# Altium PCB PCB1.PcbDoc (part 2 of 2)
Units mm, origin at the board's own origin, x right, y up, seen from the top; angles counter-clockwise.
Board outline 101.35 x 52 mm, 2 copper layers (Top Layer, Bottom Layer); 142 components, 119 nets, 501 pads, 93 vias.
Unrouted connection lines stored in the file: 4.
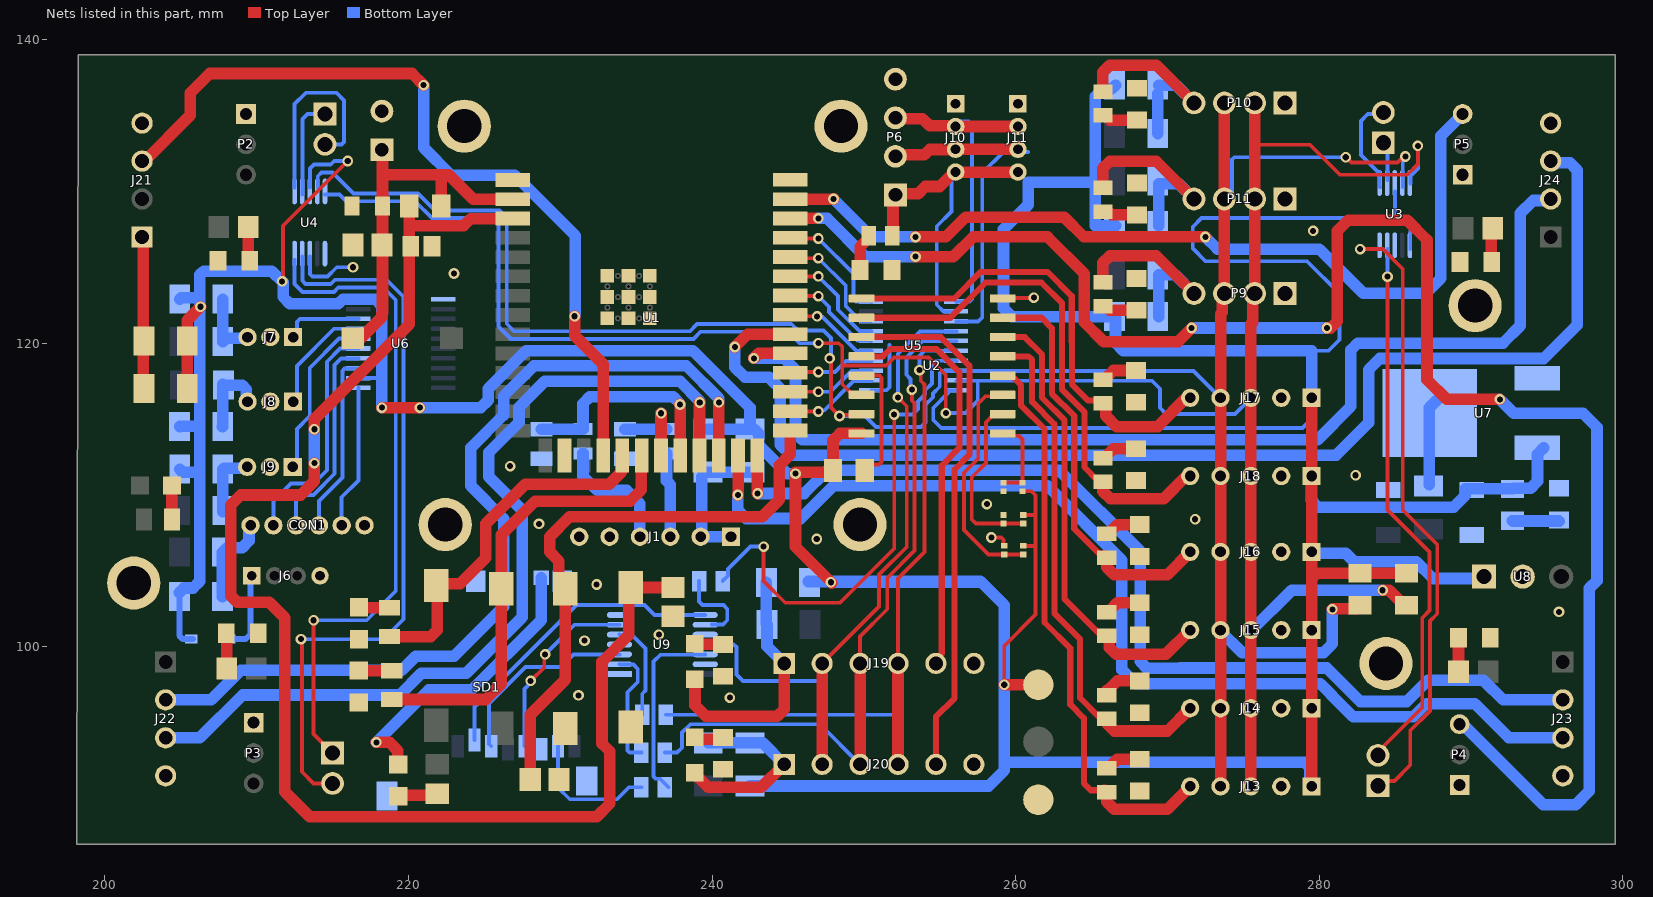
[diagram p2: the nets of this part, all layers, seen from the top]

## Via types
v1: diameter 0.7, hole 0.4, Top Layer to Bottom Layer, 93 vias

## Nets (pads, with @x,y where several pads share a name; then routed paths per layer and width w, separated by ;. In a path a pad name is that pad's centre, name@x,y a point inside that pad or via, vN(x,y) a via of type N, cw(c..) or ccw(c..) an arc to the next point about the centre after c; other vN are vias at no path point) (continued)
18: J21.3 U1.18 | length 53.9
  Top Layer w0.762: J21.3@202.45,132 202.623,132 205.634,135.011 205.634,136.484 206.917,137.767 220.233,137.767 v1(221,137) ; v1(230.95,121.775) 230.95,120.487 232.825,118.612 U1.18@232.825,112.6
  Bottom Layer w0.762: v1(221,137) 221,132.875 222.8,131.075 227.012,131.075 231,127.087 231,121.825 v1(230.95,121.775)
19: R10.2 SW1.2 U1.19 | length 23.6
  Top Layer w0.762: R10.2@218.945,100.654 221.457,100.654 221.904,101.1 221.904,103.824 222.231,104.15 223.4,104.15 225.101,105.851 225.101,108.101 227.7,110.7 233.218,110.7 234.026,111.508 234.026,112.531 U1.19@234.095,112.6
20: R11.2 SW2.2 U1.20 | length 30
  Top Layer w0.762: R11.2@219.046,96.525 225.075,96.525 226.117,97.567 SW2.2@226.117,103.824 226.117,107.367 228.35,109.6 234.6,109.6 235.332,110.332 235.332,112.567 U1.20@235.365,112.6
21: R2.1 R3.2 U1.21 | length 6.5
  Top Layer w0.762: U1.21@236.635,112.6 236.635,115.372 v1(236.65,115.387)
  Bottom Layer w0.762: R3.2@234.25,114.342 R2.1@237,114.342 ; R2.1@236.65,114.386 v1(236.65,115.387)
22: R4.1 R5.2 U1.22 | length 14.6
  Top Layer w0.762: v1(237.886,115.961) 237.905,115.943 U1.22@237.905,112.6
  Bottom Layer w0.762: R5.2@228.75,114.342 R4.1@231.5,114.342 231.5,116.022 231.946,116.468 237.44,116.468 237.886,116.022 v1(237.886,115.961)
23: J22.3 U1.23 | length 59.1
  Top Layer w0.762: U1.23@239.175,112.6 239.175,116.075 v1(239.192,116.092)
  Bottom Layer w0.762: J22.3@204,94 206.25,94 209.075,96.825 219.425,96.825 220.85,98.25 223.813,98.25 227.5,101.937 227.5,109 225.3,111.2 225.3,112.8 227.282,114.782 227.282,115.782 228.984,117.484 237.892,117.484 239.192,116.184 v1(239.192,116.092)
24: J22.2 U1.24 | length 60.1
  Top Layer w0.762: U1.24@240.445,112.6 240.445,116.095 v1(240.45,116.1)
  Bottom Layer w0.762: J22.2@204,96.5 207,96.5 208.95,98.45 219.55,98.45 220.475,99.375 223,99.375 226.266,102.641 226.266,108.434 224.1,110.6 224.1,113.1 226.266,115.266 226.266,116.516 228.25,118.5 238.313,118.5 240.45,116.363 v1(240.45,116.1)
25: J23.3 U1.25 | length 70.9
  Top Layer w0.762: v1(241.7,110) 241.715,110.015 U1.25@241.715,112.6
  Bottom Layer w0.762: v1(241.7,110) 241.7,109.006 242.253,108.453 245.853,108.453 248,110.6 262.1,110.6 267,105.7 267,98.5 267.925,97.575 280.081,97.575 280.811,96.845 280.811,96.814 282.248,95.377 286.182,95.377 287.066,96.261 290.239,96.261 292.5,94 J23.3@296.05,94
26: J23.2 U1.26 | length 67.9
  Top Layer w0.762: U1.26@242.985,112.6 242.985,110.115 v1(243,110.1)
  Bottom Layer w0.762: v1(243,110.1) 246.063,110.1 247.579,111.616 262.884,111.616 268.2,106.3 268.2,99.037 268.646,98.591 270.85,98.591 270.859,98.6 280.492,98.6 282.699,96.393 285.761,96.393 287.168,97.8 290.812,97.8 292.112,96.5 J23.2@296.05,96.5
27: C4.2 SW3.1 U1.27 | length 38.4
  Top Layer w0.762: C4.2@228.025,91.25 228.025,95.525 230.331,97.831 SW3.1@230.331,103.814 229.912,104.233 229.912,105.642 229.3,106.254 229.3,107.254 230.607,108.561 243.3,108.561 244.419,109.68 244.419,111.948 245.15,112.679 U1.27@245.15,114.25
28: U1.28 U5.12 | length 6.2
  Top Layer w0.254: U1.28@245.15,115.52 245.17,115.5 v1(247,115.5)
  Bottom Layer w0.254: v1(247,115.5) 247.085,115.585 247.402,115.585 249.319,117.502 250.477,117.502 U5.12@250.5,117.525
29: U1.29 U5.13 | length 5.9
  Top Layer w0.254: U1.29@245.15,116.79 245.16,116.8 v1(247,116.8)
  Bottom Layer w0.254: v1(247,116.8) 247.8,116.8 249.175,118.175 U5.13@250.5,118.175
30: U1.30 U5.14 | length 5.7
  Top Layer w0.254: U1.30@245.15,118.06 245.19,118.1 v1(247,118.1)
  Bottom Layer w0.254: v1(247,118.1) 248.1,118.1 248.825,118.825 U5.14@250.5,118.825
31: J24.2 U1.31 | length 72.8
  Top Layer w0.254: U1.31@245.15,119.33 U1.31@245.18,119.3
  Top Layer w0.762: v1(242.75,119) 243.08,119.33 U1.31@245.15,119.33
  Bottom Layer w0.762: v1(242.75,119) 244.75,119 245.5,118.25 245.5,114.094 245.946,113.648 279.898,113.648 282.089,115.839 282.089,119.554 282.544,120.009 292.109,120.009 293.25,121.15 293.25,128.55 294.1,129.4 295.15,129.4 J24.2@295.25,129.5
32: J24.3 U1.32 | length 83.2
  Top Layer w0.762: v1(241.5,119.75) 242.35,120.6 U1.32@245.15,120.6
  Bottom Layer w0.762: v1(241.5,119.75) 241.5,118.42 242.17,117.75 243.75,117.75 244,117.5 244.484,117.016 244.484,113.311 245.163,112.632 281.132,112.632 283.25,114.75 283.25,118.254 283.989,118.993 294.793,118.993 297,121.2 297,131.4 296.522,131.878 295.372,131.878 J24.3@295.25,132
33: U1.33 U5.15 | length 6.3
  Top Layer w0.254: U1.33@245.15,121.87 245.248,121.772 v1(246.921,121.772)
  Bottom Layer w0.254: v1(246.921,121.772) 246.978,121.715 247.285,121.715 249.519,119.481 U5.15@250.494,119.481
34: U1.34 U5.16 | length 6.8
  Top Layer w0.254: U1.34@245.15,123.14 245.19,123.1 v1(247,123.1)
  Bottom Layer w0.254: v1(247,123.1) 247.7,122.4 247.7,122.05 249.579,120.171 250.454,120.171 U5.16@250.477,120.148
35: U1.35 U5.17 | length 7.4
  Top Layer w0.254: U1.35@245.15,124.41 245.16,124.4 v1(247,124.4)
  Bottom Layer w0.254: v1(247,124.4) 248.3,123.1 248.3,122.2 249.702,120.798 U5.17@250.477,120.798 U5.17@250.5,120.775
38: P4.3 U1.38 | length 112.6
  Top Layer w0.762: U1.38@245.15,128.22 v1@246.88,128.22 ; v1(253.4,125.7) 255.9,125.7 257.2,127 262.1,127 264.532,124.568 264.532,121.368 265.8,120.1 270.7,120.1 v1(271.6,121) ; v1(280.5,121) 280.754,121 281.2,121.446 281.2,127.4 281.9,128.1 285.8,128.1 287.1,126.8 287.1,117.6 288.4,116.3 v1(291.9,116.3)
  Bottom Layer w0.762: v1(247,128.22) 247.58,128.22 250.1,125.7 v1(253.4,125.7) ; v1(271.6,121) v1(280.5,121) ; P4.3@289.2,95.15 294.75,89.6 296.9,89.6 297.8,90.5 297.8,103.85 298.3,104.35 298.3,114.454 297.377,115.377 292.823,115.377 v1(291.9,116.3)
39: P5.3 U1.39 | length 58.3
  Top Layer w0.762: U1.39@245.15,129.49 247.99,129.49 v1(248,129.5) ; v1(253.4,127) 255.4,127 256.7,128.3 263.2,128.3 264.5,127 v1(272.5,127)
  Bottom Layer w0.762: v1(248,129.5) 250.5,127 v1(253.4,127) ; v1(272.5,127) 273.3,126.2 280,126.2 282.9,123.3 287.034,123.3 288,124.266 288,133.65 P5.3@289.45,135.1
+5: C6.1 D2.1 J10.4 J11.4 J13.1 J14.1 J15.1 J16.1 J17.1 J18.1 P6.1 R1.2 R8.2 R9.2 R12.2 R33.2 T1.1 U2.16 U3.1 U3.8 U4.8 U5.2 U5.10 U6.2 U6.10 U7.3 U8.1 W1.2 W3.2 W5.2 W7.2 W8.2 W9.2 W10.2 W11.2 W12.2 W21.2 W22.2 W23.2 W24.2 W25.2 W28.2 W29.2 | length 414.2
  Top Layer w0.254: v1(211.674,124.076) 211.734,124.136 211.734,127.734 v1(216,132) ; v1(259.25,97.5) 259.25,100.05 261.319,102.119 261.319,109.981 261.05,110.25 W5.2@260.45,110.25 ; W1.2@260.5,106.65 261.3,106.65 ; W3.2@260.5,108.681 261.3,108.681
  Top Layer w0.762: W29.2@205.421,117 205.421,121.521 v1(206.3,122.4) ; v1(218.25,115.75) v1(220.75,115.75) ; v1@247.9,104.2 245.5,106.6 v1(245.5,111.403) 245.5,111.5 247.863,111.5 R1.2@247.966,111.603 247.966,113.596 248.425,114.055 U2.16@249.85,114.055 ; R33.2@251.826,127.025 251.922,127.121 251.922,129.611 P6.1@252.081,129.77 252.161,129.85 253.581,129.85 254.053,130.322 254.992,130.322 255.945,131.275 J10.4@256.05,131.275 J11.4@260.15,131.275 ; v1(259.25,97.5) T1.1@261.499,97.5 ; J13.1@279.5,90.8 J14.1@279.5,95.95 J15.1@279.5,101.1 279.5,104.5 ; J17.1@279.5,116.4 279.5,104.5 ; R8.2@285.75,104.842 279.842,104.842 279.5,104.5
  Bottom Layer w0.254: U4.8@213.516,130.25 213.516,131.516 213.775,131.775 214.882,131.775 215.107,132 v1(216,132) ; U6.2@216.7,117.7 217.876,117.7 ; 255.781,130.6 255.781,128.681 254.8,127.7 254.8,122.536 255.238,122.098 U5.2@256.077,122.098 U5.2@256.1,122.075 ; U5.10@256.1,116.875 255.577,116.875 255.554,116.852 255.554,116.72 254.573,115.739 254.573,115.636 254.573,114.937 255.1,114.41 278.91,114.41 279.5,115 J17.1@279.5,116.4 ; 279.5,119.5 280.6,119.5 281.327,120.227 281.327,123.273 279.2,125.4 272.5,125.4 271.673,126.227 271.673,127.673 272.25,128.25 285.149,128.25 ; U3.8@285,130 285,128.399 285.149,128.25 ; U3.1@286,126.2 286,128 285.75,128.25 285.149,128.25
  Bottom Layer w0.4: W9.2@204.908,103.57 204.908,100.734 205.142,100.5 D2.1@205.81,100.5
  Bottom Layer w0.762: W9.2@204.908,103.57 205.212,103.874 205.804,103.874 206.25,104.32 206.25,111.5 ; W11.2@204.919,114.51 204.933,114.525 206.25,114.525 ; W12.2@204.929,111.7 205.129,111.5 206.25,111.5 ; W10.2@204.929,122.9 205.029,123 205.804,123 ; v1(218.25,115.75) 218.25,122.462 217.804,122.908 215.69,122.908 215.382,122.6 212.185,122.6 211.739,123.046 211.739,124.011 211,124.75 206.5,124.75 206.25,124.5 206.25,114.525 ; v1(220.75,115.75) 224.75,115.75 225.25,116.25 225.25,117 227.766,119.516 238.734,119.516 242.5,115.75 W7.2@242.5,114.342 ; W8.2@239.75,114.342 W7.2@242.5,114.342 ; W25.2@242.5,90.828 258.225,90.828 259.25,91.853 259.25,92.4 ; v1(245.5,111.403) 244.955,111.403 243.074,113.284 243.074,114.038 242.77,114.342 W7.2@242.5,114.342 ; W24.2@246.346,104.3 257.675,104.3 ; v1@247.9,104.25 257.75,104.25 259.25,102.75 v1(259.25,97.5) 259.25,92.4 ; W22.2@266.579,127.75 265.25,127.75 265.25,130.6 ; W21.2@266.579,137 266.329,136.75 265.75,136.75 265.25,136.25 265.25,130.6 ; J18.1@279.469,111.28 279.469,109.646 279.915,109.2 288.849,109.2 289.621,109.971 289.621,110.4 R12.2@292.725,110.4 292.775,110.45 293.935,110.45 294.381,110.896 294.381,112.696 U7.3@294.8,113.115 ; J13.1@279.5,90.8 279.375,90.925 279.375,92.05 279.025,92.4 259.25,92.4 ; J16.1@279.5,106.16 281.74,106.16 282.3,105.6 286.4,105.6 287.5,104.5 U8.1@290.46,104.5 ; J17.1@279.5,116.4 279.5,119.5 267.1,119.5 266.579,120.021 266.579,121.75 259.75,121.75 259.2,122.3 259.2,127.5 260.831,129.131 260.831,130.6 265.25,130.6 ; 206.25,111.5 206.25,114.525
  other v1: 247.825,104.25
Card_Detect: D13.1 SD1.9 | length 19.5
  Top Layer w0.762: v1(217.881,93.7) 218.75,93.7 219.3,93.15 219.3,92.275 D13.1@219.325,92.25
  Bottom Layer w0.762: v1(217.881,93.7) 217.89,93.7 221.345,97.155 224.155,97.155 228.75,101.75 SD1.9@228.75,104.535
EN: C3.2 C5.2 R6.1 SW4.1 U1.3 | length 96
  Top Layer w0.762: v1(213.803,112.1) 213.803,110.903 212.9,110 208.946,110 208.285,109.339 208.285,103.371 208.731,102.925 210.825,102.925 211.842,101.908 211.842,90.458 213.502,88.798 232.398,88.798 233.275,89.675 233.275,93.105 232.75,93.63 232.75,99 234.5,100.75 SW4.1@234.5,103.814 ; v1(213.803,114.331) 213.803,114.99 220.05,121.237 220.05,127.75 ; R6.1@220.05,129.05 220.05,127.75 ; U1.3@226.875,128.21 224.103,128.21 223.643,127.75 220.05,127.75 ; SW4.1@234.544,103.814 SW4.1@234.637,103.907 C5.2@237.432,103.907
  Bottom Layer w0.762: v1(213.803,112.1) v1(213.803,114.331)
GND: C1.2 C2.2 C3.1 C4.1 C5.1 C6.2 C7.2 CON1.6 D3.1 D4.1 D5.1 D6.1 D7.1 D8.1 D9.1 D10.1 D11.1 D12.1 D14.1 D15.1 D16.1 D17.1 D18.1 D19.1 D20.1 DS1.2 DS2.2 J1.5 J1.6 J6.4 J7.2 J8.2 J9.2 J10.1 J11.1 J13.2 J14.2 J15.2 J16.2 J17.2 J18.2 J19.6 J20.6 J21.4 J22.4 J23.4 J24.4 P1.2 P2.1 P3.1 P4.1 P5.1 P6.4 P9.1 P10.1 P11.1 pad.M2 R3.1 R5.1 SD1.6 SD1.10 SD1.11 SD1.12 SD1.13 SW3.2 SW4.2 T3.1 U1.1 U1.16 U1.40 U1.41 U2.8 U3.3 U4.1 U4.3 U5.11 U6.11 U7.1 U8.2 U9.1 U9.4 U9.7 U9.10 U9.13 W2.1 W4.1 W6.1 | length 11.7
  Top Layer w0.254: v1(258.4,107.2) 259.051,107.2 259.2,107.051 259.2,106.7 W2.1@259.25,106.65 ; U2.8@259.15,122.945 259.178,122.972 261.173,122.972 v1(261.2,123)
  Bottom Layer w0.254: U4.3@213.517,125.7 213.517,124.549 213.666,124.4 214.667,124.4 215.272,125.005 v1(216.35,125.005) ; U5.11@250.5,116.875 250.523,116.898 251.498,116.898 251.7,117.1 251.7,119.9
  other v1: 241.178,96.653 231.2,96.8 231.6,100.4 236.5,100.8 295.8,102.3 232.4,104.1 246.9,107.1 228.6,108.1 271.825,108.4 258.1,109.4 282.4,111.3 226.7,111.9 223,124.594 279.6,127.4
I2C_1: P10.4 R13.2 W18.1 W21.1 | length 13.9
  Top Layer w0.762: R13.2@265.75,136.554 265.75,137.858 266.196,138.304 269.275,138.304 P10.4@271.75,135.829
  Bottom Layer w0.762: W18.1@269.356,133.815 W21.1@269.356,136.435 ; W21.1@269.421,137 270.579,137 P10.4@271.75,135.829
I2C_2: P11.4 R14.2 W19.1 W22.1 | length 14
  Top Layer w0.762: R14.2@265.75,130.225 265.75,131.529 266.196,131.975 269.275,131.975 P11.4@271.75,129.5
  Bottom Layer w0.762: W22.1@269.421,127.75 269.421,130.5 270.75,130.5 P11.4@271.75,129.5
I2C_3: P9.4 R15.2 W20.1 W23.1 | length 14.1
  Top Layer w0.762: R15.2@265.75,124 265.75,125.304 266.196,125.75 269.275,125.75 P9.4@271.75,123.275
  Bottom Layer w0.762: W23.1@269.421,121.75 269.421,124.5 270.525,124.5 P9.4@271.75,123.275
I.AIN0: J2.2 U3.4 | length 35.6
  Top Layer w0.254: J2.2@283.95,93.15 286.787,95.987 286.787,101.908 287.265,102.385 287.265,106.235 284.5,109 v1(284.5,124.381)
  Bottom Layer w0.254: v1(284.5,124.381) U3.4@284.5,126.2
I.AIN1: J2.1 U3.5 | length 41.4
  Top Layer w0.254: v1(282.7,126.2) 284.2,126.2 285.5,124.9 285.5,109 287.773,106.727 287.773,102.175 287.295,101.697 287.295,95.777 286,94.482 286,92.2 284.95,91.15 J2.1@283.95,91.15
  Bottom Layer w0.254: v1(282.7,126.2) U3.5@283.925,126.2
I.AIN2: J4.2 U3.6 | length 6.9
  Bottom Layer w0.254: J4.2@283.85,135.1 283.2,135.1 282.75,134.65 282.75,132.404 283.871,131.283 283.992,131.283 283.992,130.308 U3.6@284,130.3 ; J4.2@283.875,135.25 J4.2@284.35,135.725
I.AIN3: J4.1 U3.7 | length 2.4
  Bottom Layer w0.254: J4.1@284.2,133.05 284.5,132.75 U3.7@284.5,130.75
II.AIN0: J3.2 U4.4 | length 48.6
  Top Layer w0.254: v1(212.923,100.5) 212.981,100.442 212.981,91.769 213.75,91 J3.2@215,91
  Bottom Layer w0.254: v1(212.923,100.5) 218.363,100.5 219.673,101.81 219.673,123.057 218.552,124.178 215.164,124.178 214.878,123.892 213.227,123.892 213.009,124.11 213.009,125.691 U4.4@213,125.7
II.AIN1: J3.1 U4.5 | length 43.6
  Top Layer w0.254: v1(213.75,101.75) 213.75,94.25 J3.1@215,93
  Bottom Layer w0.254: 212.501,124.327 212.501,123.9 213.017,123.384 215.088,123.384 215.374,123.67 218.341,123.67 219.165,122.846 219.165,103.665 217.25,101.75 v1(213.75,101.75) ; 212.5,124.328 U4.5@212.5,125.5
II.AIN2: J5.2 U4.6 | length 13.3
  Bottom Layer w0.254: U4.6@212.5,130.25 212.5,135.75 213.25,136.5 215.25,136.5 215.75,136 215.75,133.25 215.6,133.1 J5.2@214.5,133.1
II.AIN3: J5.1 U4.7 | length 6.6
  Bottom Layer w0.254: U4.7@213,129.8 213.008,129.808 213.008,134.758 213.35,135.1 J5.1@214.5,135.1
L1: J13.5 R16.2 U2.4 | length 38.1
  Top Layer w0.4: U2.4@259.15,117.865 259.225,117.79 259.8,117.79 260.366,117.224 260.366,115.884 261.9,114.35 261.9,101.6 263.596,99.904 263.596,96.204 264.5,95.3 264.5,91 264.95,90.55 R16.2@265.85,90.55
  Top Layer w0.762: R16.2@265.85,90.55 265.881,90.55 R16.2@266,90.431 266,89.8 266.5,89.3 270,89.3 J13.5@271.5,90.8
L2: J14.5 R17.2 U2.5 | length 34
  Top Layer w0.4: U2.5@259.15,119.135 260.85,119.135 261.084,118.901 261.084,116.141 262.554,114.671 262.554,102.196 264.25,100.5 264.25,96.625 R17.2@265.475,95.4
  Top Layer w0.762: R17.2@266,95.266 266,94.95 266.5,94.45 270,94.45 J14.5@271.5,95.95
L3: J15.5 R18.2 U2.6 | length 30.3
  Top Layer w0.4: U2.6@259.15,120.405 260.6,120.405 261.738,119.267 261.738,116.412 263.208,114.942 263.208,103.167 265.64,100.735 R18.2@265.85,100.735
  Top Layer w0.762: R18.2@266.179,100.616 266.179,99.946 266.625,99.5 269.9,99.5 J15.5@271.5,101.1
L4: J16.5 R19.2 U2.7 | length 27.2
  Top Layer w0.4: U2.7@259.15,121.675 261.709,121.675 262.389,120.995 262.389,119.541 262.392,119.538 262.392,116.683 263.862,115.213 263.862,107.778 265.64,106 R19.2@265.85,106
  Top Layer w0.762: R19.2@265.85,106 265.881,106 R19.2@266,105.881 266,105.25 266.5,104.75 270,104.75 J16.5@271.5,106.25
L5: J17.5 R20.2 U2.9 | length 30.9
  Top Layer w0.4: U2.9@249.85,122.945 255.945,122.945 257.7,124.7 262.1,124.7 263.697,123.103 263.697,120.083 263.7,120.08 263.7,117.3 264.781,116.219 265.581,116.219 R20.2@265.769,116.031
  Top Layer w0.762: R20.2@265.769,116.031 265.929,115.871 265.929,115.221 266.65,114.5 269.35,114.5 J17.5@271.25,116.4
L6: J18.5 R21.2 U2.10 | length 34.5
  Top Layer w0.4: U2.10@249.85,121.675 255.7,121.675 258.025,124 261.7,124 263.043,122.657 263.043,119.812 263.046,119.809 263.046,116.954 264.524,115.476 264.524,111.846 265.39,110.98 R21.2@265.6,110.98
  Top Layer w0.762: R21.2@265.75,110.881 265.75,110.25 266.25,109.75 269.75,109.75 J18.5@271.25,111.25
L.S.6: J7.1 U6.8 | length 5.1
  Bottom Layer w0.254: J7.1@212.65,120.4 212.65,121.4 212.863,121.612 212.875,121.6 U6.8@216.7,121.6
L.S.7: J8.1 U6.7 | length 7.4
  Bottom Layer w0.254: J8.1@212.65,116.15 212.65,118.5 215.1,120.95 U6.7@216.7,120.95
L.S.8: J9.1 U6.6 | length 10.9
  Bottom Layer w0.254: J9.1@212.65,111.85 212.65,114.348 213.5,115.198 213.5,118.369 215.431,120.3 U6.6@216.7,120.3
L.S.9: CON1.2 U6.5 | length 15.6
  Bottom Layer w0.254: CON1.2@211.1,108 211.1,109.6 212.25,110.75 213.75,110.75 214.63,111.63 214.63,118.781 215.499,119.65 U6.5@216.7,119.65
L.S.10: CON1.3 U6.4 | length 13.8
  Bottom Layer w0.254: CON1.3@212.6,108 212.6,109.6 213,110 213.742,110 215.138,111.396 215.138,118.57 215.568,119 U6.4@216.7,119
L.S.11: CON1.4 U6.3 | length 11.9
  Bottom Layer w0.254: CON1.4@214.1,108 214.1,109.6 215.646,111.146 215.646,118.18 215.793,118.327 216.677,118.327 U6.3@216.7,118.35
L.S.12: CON1.5 U6.1 | length 9.5
  Bottom Layer w0.254: CON1.5@215.6,108 215.6,109.85 216.7,110.95 U6.1@216.7,117.05
L.S.28: J13.3 J14.3 J15.3 J16.3 J17.3 J18.3 P9.2 P10.2 P11.2 R8.1 U2.14 U3.10 U4.10 U5.9 | length 154.7
  Top Layer w0.254: v1(247,120) 248.351,120 248.577,119.774 248.577,118.534 ; U2.14@249.85,116.595 249.275,116.595 248.577,117.293 248.577,118.534 ; v1(255.4,115.397) 255.4,117.9 254.252,119.048 251.995,119.048 251.48,118.534 248.577,118.534 ; 275.75,133.077 279.4,133.077 281.377,131.1 285.8,131.1 286.5,131.8 v1(286.5,133)
  Top Layer w0.762: J13.3@275.5,90.8 J14.3@275.5,95.95 J15.3@275.5,101.1 J16.3@275.5,106.25 J18.3@275.5,111.25 J17.3@275.5,116.4 275.5,121.25 275.632,121.382 275.632,123.157 P9.2@275.75,123.275 P11.2@275.75,129.5 275.75,133.077 P10.2@275.75,135.829 ; v1(284.175,103.725) 284.614,103.725 285.377,102.963 285.578,102.963 R8.1@285.8,102.74
  Bottom Layer w0.254: U4.10@214.5,129.8 215.45,129.8 215.897,129.353 220.429,129.353 221.54,128.242 225.778,128.242 225.927,128.093 225.927,121.105 226.754,120.278 238.778,120.278 239.25,120.75 245,120.75 245.75,120 v1(247,120) ; v1(255.4,115.397) 256.697,115.397 257.5,116.2 257.5,117.525 ; U5.9@256.1,117.525 257.5,117.525 ; J17.3@275.5,116.4 274.443,115.343 269.907,115.343 269.5,115.75 269.5,117 268.975,117.525 257.5,117.525 ; U3.10@286.008,130.5 286.008,131.008 286.5,131.5 v1(286.5,133)
  Bottom Layer w0.762: J15.3@275.5,101.04 278.185,103.725 v1(284.175,103.725)
L.S.29: J13.4 J14.4 J15.4 J16.4 J17.4 J18.4 P9.3 P10.3 P11.3 R9.1 U2.15 U3.9 U4.9 U5.8 | length 154
  Top Layer w0.254: v1(247.75,119) 247.827,118.923 247.827,115.773 v1(248.4,115.2) 248.463,115.262 249.788,115.262 U2.15@249.85,115.325 ; v1(281.75,132.25) 281.765,132.25 282.122,131.893 285.145,131.893 285.552,132.3 v1(285.673,132.3)
  Top Layer w0.762: J13.4@273.5,90.8 273.5,121.925 273.609,122.034 273.609,123.134 P9.3@273.75,123.275 P11.3@273.75,129.5 P10.3@273.75,135.829 ; v1(280.87,102.46) 280.928,102.518 282.49,102.518 R9.1@282.934,102.963
  Bottom Layer w0.254: U4.9@214.024,130.25 214.024,131 214.274,131.25 215,131.25 216.389,129.861 220.639,129.861 221.75,128.75 226,128.75 226.472,128.278 226.472,121.278 226.964,120.786 238.536,120.786 239.008,121.258 245.21,121.258 245.218,121.25 245.25,121.25 245.673,120.827 247.343,120.827 247.827,120.343 247.827,119.077 v1(247.75,119) ; v1(248.4,115.2) 250.069,115.2 250.796,114.473 253.773,114.473 254.065,114.765 254.065,115.95 254.556,116.44 254.556,116.686 255,117.13 255,118.026 255.149,118.175 256.054,118.175 U5.8@256.077,118.198 ; U5.8@256.077,118.175 271.725,118.175 J17.4@273.5,116.4 ; P11.3@274.25,129.5 274.25,132.101 274.399,132.25 v1(281.75,132.25) ; U3.9@285.5,130.3 285.5,132.006 285.673,132.179 v1(285.673,132.3)
  Bottom Layer w0.762: J15.4@273.5,101.04 274.924,99.616 280.282,99.616 280.87,100.205 v1(280.87,102.46)
L.S.30: R25.1 U5.7 | length 32.4
  Top Layer w0.254: v1(243.4,106.6) 243.4,104.325 244.825,102.9 248.432,102.9 252,106.468 v1(252,115.3)
  Bottom Layer w0.254: R25.1@240.701,104.325 241.051,104.675 241.051,105.126 242.525,106.6 v1(243.4,106.6) ; v1(252,115.3) 253.2,115.3 253.557,115.657 253.557,116.16 254.048,116.651 254.048,116.896 254.492,117.341 254.492,118.542 254.798,118.848 U5.7@256.077,118.848 ; U5.7@256.077,118.825 U5.7@256.1,118.825
L.S.MISO: J19.2 J20.2 U5.4 U9.11 | length 44.9
  Top Layer w0.254: J19.2@247.25,98.9 251,102.65 251,104.75 252.827,106.577 252.827,115.846 v1(252.245,116.428)
  Top Layer w0.762: J20.2@247.25,92.25 J19.2@247.25,98.9
  Bottom Layer w0.254: U9.11@239.55,100.15 241.425,100.15 241.6,99.975 241.6,98.175 242.032,97.743 247.068,97.743 247.25,97.925 J19.2@247.25,98.9 ; v1(252.245,116.428) 252.245,119.308 253.7,120.762 256.087,120.762 U5.4@256.1,120.775
L.S.MOSI: J19.3 J20.3 R23.1 U5.5 | length 47.6
  Top Layer w0.254: J19.3@249.75,98.9 249.75,100.682 251.542,102.474 251.542,104.542 253.335,106.335 253.335,116.056 253.184,116.207 253.184,116.92 v1(253.166,116.938)
  Top Layer w0.762: J20.3@249.75,92.25 J19.3@249.75,98.9
  Bottom Layer w0.254: R23.1@236.9,93.025 237.7,93.025 238.025,93.35 238.025,94.35 238.575,94.9 247.1,94.9 J20.3@249.75,92.25 ; v1(253.166,116.938) 253.08,117.024 253.08,117.637 252.8,117.917 252.8,119.05 253.875,120.125 U5.5@256.1,120.125
L.S.RXD0: J10.3 J11.3 P6.2 U5.3 | length 23.2
  Top Layer w0.762: P6.2@252.081,132.31 252.175,132.404 253.974,132.404 254.332,132.762 256.037,132.762 J10.3@256.05,132.775 J11.3@260.15,132.775
  Bottom Layer w0.254: U5.3@256.1,121.425 257.525,121.425 257.8,121.7 257.8,131.2 259.2,132.6 260.831,132.6
L.S.SCK: J19.4 J20.4 R24.1 U5.6 | length 48.9
  Top Layer w0.254: J19.4@252.25,98.9 252.25,104.5 253.993,106.243 253.993,117.281 253.75,117.523 253.75,118.136 v1(253.665,118.221)
  Top Layer w0.762: J20.4@252.25,92.25 J19.4@252.25,98.9
  Bottom Layer w0.254: R24.1@236.951,95.525 252.025,95.525 252.25,95.75 J19.4@252.25,98.9 ; v1(253.665,118.221) 253.665,119.165 253.998,119.498 U5.6@256.077,119.498 ; U5.6@256.077,119.475 U5.6@256.1,119.475
L.S.TXD0: J10.2 J11.2 P6.3 U5.1 | length 22.3
  Top Layer w0.762: P6.3@252.081,134.85 252.131,134.8 253.85,134.8 254.332,134.318 256.007,134.318 J10.2@256.05,134.275 J11.2@260.15,134.275
  Bottom Layer w0.254: J10.2@255.781,134.6 256.9,134.6 257.125,134.375 257.125,122.897 256.976,122.748 256.123,122.748 U5.1@256.1,122.725
NetC1_1: C1.1 C2.1 P1.1 R6.2 S1.1 U1.2 | length 24.5
  Top Layer w0.762: S1.1@216.75,120.25 216.8,120.25 218.25,121.7 218.25,121.95 218.289,121.99 218.289,129.5 218.289,131.09 ; P1.1@218.25,132.75 218.289,132.711 218.289,131.09 ; R6.2@222.152,129.05 222.152,131.038 222.1,131.09 ; U1.2@226.875,129.48 224.27,129.48 222.66,131.09 222.1,131.09 ; 218.289,131.09 222.1,131.09
NetCON1_1: CON1.1 W9.1 W13.1 | length 6.1
  Bottom Layer w0.762: W9.1@207.75,103.3 W13.1@207.75,106.228 208.054,106.532 209.05,106.532 209.496,106.979 209.496,107.626 209.75,107.879 CON1.1@209.75,108
NetD1_2: D1.2 R7.1 | length 2.2
  Top Layer w0.762: R7.1@204.418,108.418 D1.2@204.418,110.632
NetD3_2: D3.2 R12.1 | length 3.1
  Bottom Layer w0.762: R12.1@292.725,108.298 292.737,108.287 295.788,108.287 D3.2@295.8,108.275
NetD4_2: D4.2 R13.1 | length 2.4
  Top Layer w0.762: R13.1@265.75,135.003 265.904,135.003 266.206,134.7 D4.2@268,134.7
NetD5_2: D5.2 R14.1 | length 2.3
  Top Layer w0.762: R14.1@265.75,128.674 265.846,128.577 266.193,128.577 266.32,128.45 D5.2@268,128.45
NetD6_2: D6.2 R15.1 | length 2.3
  Top Layer w0.762: R15.1@265.75,122.449 265.904,122.449 266.187,122.165 D6.2@267.965,122.165
NetD7_2: D7.2 R16.1 | length 2.5
  Top Layer w0.762: R16.1@266,91.982 266.154,91.982 266.25,92.079 266.25,92.154 266.696,92.6 D7.2@268.175,92.6
NetD8_2: D8.2 R17.1 | length 2.5
  Top Layer w0.762: R17.1@266,97.132 266.154,97.132 266.25,97.229 266.25,97.304 266.696,97.75 D8.2@268.175,97.75
NetD9_2: D9.2 R18.1 | length 2.5
  Top Layer w0.762: R18.1@266,102.282 266.154,102.282 266.25,102.379 266.25,102.454 266.696,102.9 D9.2@268.175,102.9
NetD10_2: D10.2 R19.1 | length 2.5
  Top Layer w0.762: R19.1@266,107.432 266.154,107.432 266.25,107.529 266.25,107.604 266.696,108.05 D10.2@268.175,108.05
NetD11_2: D11.2 R20.1 | length 2.5
  Top Layer w0.762: R20.1@265.75,117.582 265.904,117.582 266,117.679 266,117.754 266.446,118.2 D11.2@267.925,118.2
NetD12_2: D12.2 R21.1 | length 2.5
  Top Layer w0.762: R21.1@265.75,112.432 265.904,112.432 266,112.529 266,112.604 266.446,113.05 D12.2@267.925,113.05
NetD13_2: D13.2 R26.1 | length 2.6
  Top Layer w0.762: D13.2@219.325,90.15 219.407,90.232 221.822,90.232 R26.1@221.904,90.314
NetD14_2: D14.2 R27.1 | length 1.9
  Top Layer w0.762: R27.1@238.875,100.2 238.9,100.175 240.7,100.175 D14.2@240.725,100.15
NetD15_2: D15.2 R28.1 | length 1.7
  Top Layer w0.762: R28.1@238.875,93.918 240.482,93.918 D15.2@240.5,93.9 ; D15.2@240.5,94.05 D15.2@240.557,93.993
NetD16_2: D16.2 R29.1 | length 1.6
  Top Layer w0.762: D16.2@291.335,125.748 R29.1@291.335,127.301
NetD17_2: D17.2 R30.1 | length 2.3
  Top Layer w0.762: R30.1@289.175,98.35 D17.2@289.175,100.6
NetD18_2: D18.2 R31.1 | length 2.4
  Top Layer w0.762: D18.2@207.875,100.925 208.024,100.776 R31.1@208.024,98.575
NetD19_2: D19.2 R32.1 | length 2
  Top Layer w0.762: D19.2@209.434,125.694 D19.2@209.451,125.694 ; D19.2@209.451,125.694 R32.1@209.451,127.65
NetD20_2: D20.2 R33.1 | length 2.4
  Top Layer w0.762: D20.2@249.75,124.825 249.75,126.347 250.274,126.871 R33.1@250.274,127.025
NetDS1_1: DS1.1 R10.1 | length 1.2
  Top Layer w0.762: DS1.1@216.969,102.575 R10.1@218.131,102.575
NetDS2_1: DS2.1 R11.1 | length 2.2
  Top Layer w0.762: DS2.1@216.7,98.41 DS2.1@216.725,98.435 218.875,98.435 R11.1@218.9,98.46
NetJ1_1: J1.1 J1.2 W7.1 W8.1 | length 8.8
  Bottom Layer w0.762: W8.1@239.334,111.203 239.334,107.334 J1.2@239.25,107.25 J1.1@241.25,107.25 ; W8.1@239.719,111.507 239.722,111.504 242.496,111.504 W7.1@242.5,111.5
NetJ1_3: J1.3 R2.2 | length 5.6
  Bottom Layer w0.762: R2.2@237,112.738 237,110.925 237.25,110.675 J1.3@237.25,107.25
NetJ1_4: J1.4 R4.2 | length 8.2
  Bottom Layer w0.762: R4.2@231.5,112.738 231.5,111.225 232.425,110.3 234.375,110.3 235.25,109.425 J1.4@235.25,107.25
NetJ7_3: J7.3 W10.1 W14.1 | length 4.6
  Bottom Layer w0.762: W10.1@207.771,122.9 W14.1@207.771,120.1 207.987,120.316 209.316,120.316 J7.3@209.4,120.4
NetJ8_3: J8.3 W11.1 W15.1 | length 5.3
  Bottom Layer w0.762: W11.1@207.75,114.5 W11.1@207.761,114.51 207.761,117.289 207.771,117.3 W15.1@207.821,117.25 207.846,117.225 209.05,117.225 209.325,116.95 209.325,116.225 J8.3@209.4,116.15
NetJ9_3: J9.3 W12.1 W16.1 | length 4.5
  Bottom Layer w0.762: W16.1@207.771,108.905 207.771,109.021 207.85,109.1 207.771,109.179 W12.1@207.771,111.7 207.846,111.775 J9.3@209.375,111.775
NetJ21_1: J21.1 W28.1 W29.1 | length 10.1
  Top Layer w0.762: J21.1@202.45,127 202.515,126.935 202.515,117.065 W29.1@202.579,117
NetR1_1: R1.1 U2.13 | length 8.3
  Top Layer w0.254: U2.13@249.85,117.865 251.024,117.865 251.173,117.716 251.173,112.173 251,112 250.465,112 R1.1@250.068,111.603
NetR22_1: R22.1 SD1.7 | length 8.9
  Bottom Layer w0.254: SD1.7@229.85,93.45 229.85,90.728 230.622,89.956 233.742,89.956 234.536,90.75 R22.1@235.349,90.75
NetR22_2: R22.2 U9.12 | length 12.5
  Bottom Layer w0.254: R22.2@237.142,90.75 236.591,91.301 236.299,91.301 236.15,91.45 236.15,99.026 236.6,99.476 239.526,99.476 U9.12@239.55,99.5
NetR23_2: R23.2 U9.2 | length 8
  Bottom Layer w0.254: U9.2@233.899,98.85 233.923,98.826 234.83,98.826 235.108,98.548 235.108,97.688 234.425,97.005 234.425,93.174 234.574,93.025 R23.2@235.349,93.025
NetR24_2: R24.2 U9.5 | length 6.5
  Bottom Layer w0.254: U9.5@233.899,100.8 233.923,100.776 234.719,100.776 235.616,99.879 235.616,97.121 235.399,96.905 R24.2@235.399,95.525
NetR25_2: R25.2 U9.9 | length 5.3
  Bottom Layer w0.254: R25.2@239.149,104.325 239.149,102.976 239.375,102.75 240.75,102.75 241,102.5 241,101.75 240.724,101.474 U9.9@240.006,101.474
NetSD1_2: SD1.2 U9.8 | length 20.4
  Bottom Layer w0.254: SD1.2@224.35,93.85 224.35,96.022 231.078,102.75 235.55,102.75 236.2,102.1 U9.8@239.55,102.1
NetSD1_3: SD1.3 U9.3 | length 12.8
  Bottom Layer w0.254: SD1.3@225.45,93.45 225.3,93.6 225.3,96.254 227.719,98.673 230.048,98.673 230.875,99.5 U9.3@233.899,99.5
NetSD1_5: SD1.5 U9.6 | length 12.3
  Top Layer w0.254: v1(228.05,97.75) 228.942,98.642 228.942,99.442 v1(229,99.5)
  Bottom Layer w0.254: SD1.5@227.65,93.45 227.65,97.229 228.05,97.629 v1(228.05,97.75) ; v1(229,99.5) 230.95,101.45 U9.6@233.899,101.45
NetU2_1: U2.1 W5.1 W6.2 | length 5.6
  Top Layer w0.254: U2.1@259.15,114.055 259.298,113.907 260.193,113.907 260.45,113.65 W5.1@260.45,110.812 W6.2@259.2,110.812
NetU2_2: U2.2 W3.1 W4.2 | length 11.6
  Top Layer w0.254: U2.2@259.15,115.325 258.575,115.325 258.043,114.793 258.043,112.1 257.108,111.165 257.108,108.392 257.381,108.119 W3.1@260.5,108.119
NetU2_3: U2.3 W1.1 W2.2 | length 15.1
  Top Layer w0.254: U2.3@259.15,116.595 259.055,116.5 258,116.5 257.535,116.035 257.535,112.4 256.6,111.465 256.6,107.7 258.212,106.088 W2.2@259.25,106.088 W1.1@260.5,106.088
NetU7_4: U7.4 W17.2 | length 5.8
  Bottom Layer w0.762: W17.2@287.25,110.671 287.25,115.75 U7.4@287.75,116.25
PO6: J20.5 U2.11 | length 35.1
  Top Layer w0.4: U2.11@249.85,120.405 255.07,120.405 256.954,118.521 256.954,113.1 256.954,112.654 255.98,111.68 255.98,96.621 254.75,95.391 J20.5@254.75,92.25
PO7: J19.5 U2.12 | length 27.1
  Top Layer w0.4: U2.12@249.85,119.135 251.26,119.135 251.755,119.629 254.771,119.629 256.3,118.1 256.3,113.1 255.133,111.933 255.133,99.554 254.75,99.171 J19.5@254.75,98.9
RXD0: U1.36 U5.18 | length 7.9
  Top Layer w0.254: U1.36@245.15,125.68 245.23,125.6 v1(247,125.6)
  Bottom Layer w0.254: v1(247,125.6) 248.808,123.792 248.808,122.442 249.802,121.448 U5.18@250.477,121.448
SPI_1: J19.1 R27.2 W24.1 W26.1 | length 16.9
  Top Layer w0.762: R27.2@238.875,97.85 238.875,96.15 239.6,95.425 244.304,95.425 244.75,95.871 J19.1@244.75,98.9
  Bottom Layer w0.762: W24.1@243.579,104.25 243.579,101.5 W26.1@243.619,101.46 243.619,100.031 J19.1@244.75,98.9
SPI_2: J20.1 R28.2 W25.1 W27.1 | length 12.1
  Top Layer w0.762: R28.2@239.1,91.4 239.75,90.75 243.25,90.75 J20.1@244.75,92.25
  Bottom Layer w0.762: W27.1@239.75,93.67 W25.1@242.5,93.67 243.33,93.67 J20.1@244.75,92.25
TXD0: U1.37 U5.20 | length 8.1
  Top Layer w0.254: U1.37@245.15,126.95 245.2,126.9 v1(247,126.9)
  Bottom Layer w0.254: v1(247,126.9) 249.316,124.584 249.316,122.9 249.468,122.748 U5.20@250.477,122.748 U5.20@250.5,122.725
VBUS: D2.2 J6.1 | length 5.5
  Bottom Layer w0.4: D2.2@208.19,100.5 209.266,100.5 209.6,100.834 J6.1@209.6,104.75
pads on no net: D1.1 J22.1 J23.1 J24.1 SD1.1 SD1.8 U1.15 U1.41_10 U1.41_11 U1.41_12 U1.41_13 U1.41_14 U1.41_15 U1.41_16 U1.41_17 U1.41_18 U1.41_19 U1.41_20 U1.41_21 U3.2 U4.2 U6.9 U6.12

## Polygon pours and split planes (outlines as drawn)
GND on Bottom Layer "Bottom poly" (solid, pour order 0): 198.25,139 198.15,87 299.5,87 299.5,139
GND on Top Layer "Bottom poly" (solid, pour order 1): 198.25,139 198.15,87 299.5,87 299.5,139

## Silkscreen, mask and mechanical layers (free items; w line width, h text height)
Top Overlay:
  lines w0.254: 214.4,112.1 214.6,112.1 ; 214.6,116.7 215.4,116.7 ; 214.6,120.6 215.4,120.6 215.4,113.3 ; 215.4,110.7 215.4,111 ; 216,104.3 217.1,104.3 ; 241.8,95.2 241.1,96.1 241.9,97.1 ; 252.1,127 252.7,127 ; 252.1,127.1 252.1,128 ; 254,127 254.4,127 ; 256.4,128 256.4,128.2 ; 258.7,127 261.4,127 261.4,128 ; 263.9,96.6 264.4,96.6 ; 263.9,99.6 263.9,102.8 263.9,91.4 264.5,91.4 ; 263.9,101.6 264.4,101.6 ; 263.9,105.4 263.9,116.8 264.3,116.8 ; 263.9,106.9 264.4,106.9 ; 263.9,111.9 264.4,111.9 ; 282.3,122.6 282.7,122.6 282.7,130.4 ; 282.3,129.2 282.7,129.2
  text "V & I" at 283.2,137.462 h2
  text "M3" at 295,137.454 h2
  text "QTR-1" at 206.9,137.431 h2
  text "QTR-3" at 288,137.431 h2
  text "Aux" at 217.1,137.325 h2
  text "M1" at 202,137.3 h2
  text "V & I" at 212.2,137.321 h2
  text "Serial" at 254.6,126.429 h2
  text "I2C" at 283.9,126.329 h2
  text "Chip PWR" at 216.9,116.416 h2
  text "GPIO" at 214.9,111.429 h2
  text "ON" at 205.425,110.029 h2
  text "BEC" at 225.3,106.829 h2
  text "USB" at 217.5,103.629 h2
  text "LASER" at 260.5,103.529 h2
  text "LED-1" at 215.5,99.4 h1 r90
  text "5v" at 260.8,98.825 h2
  text "LED-2" at 215.5,95.709 h1 r90
  text "SPI" at 238.6,95.529 h2
  text "3.3v" at 260.4,95.023 h2
  text "Boot" at 227.1,94.019 h1.5
  text "B1" at 219.5,94 h1.5
  text "B2" at 223.713,94 h1.5
  text "EN" at 232,94 h1.5
  text "GND" at 260.2,91.329 h2
  text "M2" at 202.5,87.404 h2
  text "M2" at 202.5,87.404 h2
  text "V & I" at 212.7,87.412 h2
  text "V & I" at 212.7,87.412 h2
  text "V & I" at 282.95,87.412 h2
  text "M3" at 294.75,87.404 h2
  text "QTR-2" at 207.4,87.381 h2
  text "QTR-2" at 207.4,87.381 h2
  text "QTR-3" at 287.75,87.381 h2
Bottom Overlay:
  drawing of 101 lines, arcs and shapes, not listed
  text "5v" at 265.15,136.525 h2
  text "GND" at 259.75,136.122 h1.5
  text "IN" at 291.7,134.7 h1.5
  text "AIN" at 287.3,134.6 h1.5
  text "IN" at 208,134.5 h1.5
  text "AIN" at 213.2,134.5 h1.5
  text "GND" at 201.2,134.122 h1.5
  text "Tx" at 259.75,134.1 h1.5
  text "GND" at 298.6,134.022 h1.5
  text "3.3v" at 265.15,133.423 h2
  text "3.3v" at 208,132.618 h1.5
  text "3.3v" at 292.761,132.618 h1.5
  text "AIN" at 287.3,132.6 h1.5
  text "AIN" at 213.2,132.5 h1.5
  text "Rx" at 259.75,132.1 h1.5
  text "IN" at 201.2,131.5 h1.5
  text "Vcc" at 271.319,131.44 h1.5 r270
  text "IN" at 297.428,131.4 h1.5
  text "SCL" at 276.322,131.375 h1.5 r270
  text "SDA" at 273.822,131.3 h1.5 r270
  text "GND" at 278.822,131.269 h1.5 r270
  text "GND" at 208,130.722 h1.5
  text "GND" at 292.8,130.622 h1.5
  text "Vcc" at 259.75,130.119 h1.5
  text "5v" at 265.15,130.025 h2
  text "IN" at 201.2,129 h1.5
  text "IN" at 297.428,129 h1.5
  text "3.3v" at 265.15,126.923 h2
  text "5v" at 201.2,126.619 h1.5
  text "NC" at 297.795,126.522 h1.5
  text "3.3v" at 265.15,123.673 h2
  text "5v" at 203.5,122.425 h2
  text "GND" at 210.422,121.7 h1.5 r270
  text "IO" at 211.922,121.7 h1.5 r270
  text "Vcc" at 208.919,121.5 h1.5 r270
  text "5v" at 265.15,121.275 h2
  text "3.3v" at 203.5,119.323 h2
  text "3.3v" at 203.5,116.523 h2
  text "5v" at 203.479,114.025 h2
  text "5v" at 203.5,111.225 h2
  text "Vcc" at 209.119,109.1 h1.5 r270
  text "IO" at 210.622,109.1 h1.5 r270
  text "IO" at 212.122,109.1 h1.5 r270
  text "IO" at 213.622,109.1 h1.5 r270
  text "IO" at 215.122,109.1 h1.5 r270
  text "GND" at 216.622,109.1 h1.5 r270
  text "GND" at 230.822,108.2 h1.5 r270
  text "GND" at 232.764,108.15 h1.5 r270
  text "I" at 234.763,108.15 h1.5 r270
  text "V" at 236.787,108.15 h1.5 r270
  text "Vcc" at 238.799,108.15 h1.5 r270
  text "3.3v" at 203.5,108.123 h2
  text "Vcc" at 240.619,108.1 h1.5 r270
  text "5v" at 249.993,103.625 h2
  text "3.3v" at 250.7,100.823 h2
  text "5v" at 204.2,100.525 h2
  text "NC" at 202.7,98.522 h1.5
  text "NC" at 298.445,98.422 h1.5
  text "IN" at 202.7,96 h1.5
  text "IN" at 298.078,95.9 h1.5
  text "3.3v" at 241.3,95.023 h2
  text "5v" at 243.4,95.025 h2
  text "GND" at 208.5,94.522 h1.5
  text "GND" at 292.55,94.422 h1.5
  text "IN" at 202.7,93.5 h1.5
  text "IN" at 298.078,93.4 h1.5
  text "Xs" at 271.119,92.802 h1.5 r270
  text "3.3v" at 208.5,92.518 h1.5
  text "AIN" at 213.7,92.5 h1.5
  text "Vcc" at 279.019,92.514 h1.5 r270
  text "SCL" at 275.022,92.449 h1.5 r270
  text "AIN" at 287.05,92.4 h1.5
  text "3.3v" at 292.511,92.418 h1.5
  text "SDA" at 273.022,92.375 h1.5 r270
  text "GND" at 277.022,92.344 h1.5 r270
  text "GND" at 202.7,91.022 h1.5
  text "GND" at 299.25,90.922 h1.5
  text "IN" at 208.5,90.5 h1.5
  text "AIN" at 213.7,90.5 h1.5
  text "AIN" at 287.05,90.4 h1.5
  text "IN" at 291.378,90.4 h1.5
  text "SS" at 254.322,89.906 h1.5 r270
  text "VCC" at 244.322,89.179 h1.5 r270
  text "SCK" at 251.822,89.169 h1.5 r270
  text "GND" at 256.822,89.062 h1.5 r270
  text "MOSI" at 249.322,88.618 h1.5 r270
  text "MISO" at 246.822,88.6 h1.5 r270
  text "SD" at 225.9,87.822 h1.5

## Text inside footprints (layer, text, board x,y; h text height)
U1: Mechanical 13 "ANTENNA" at 231.5,135 h1.27